# KiCad board sbc.kicad_pcb (continued)
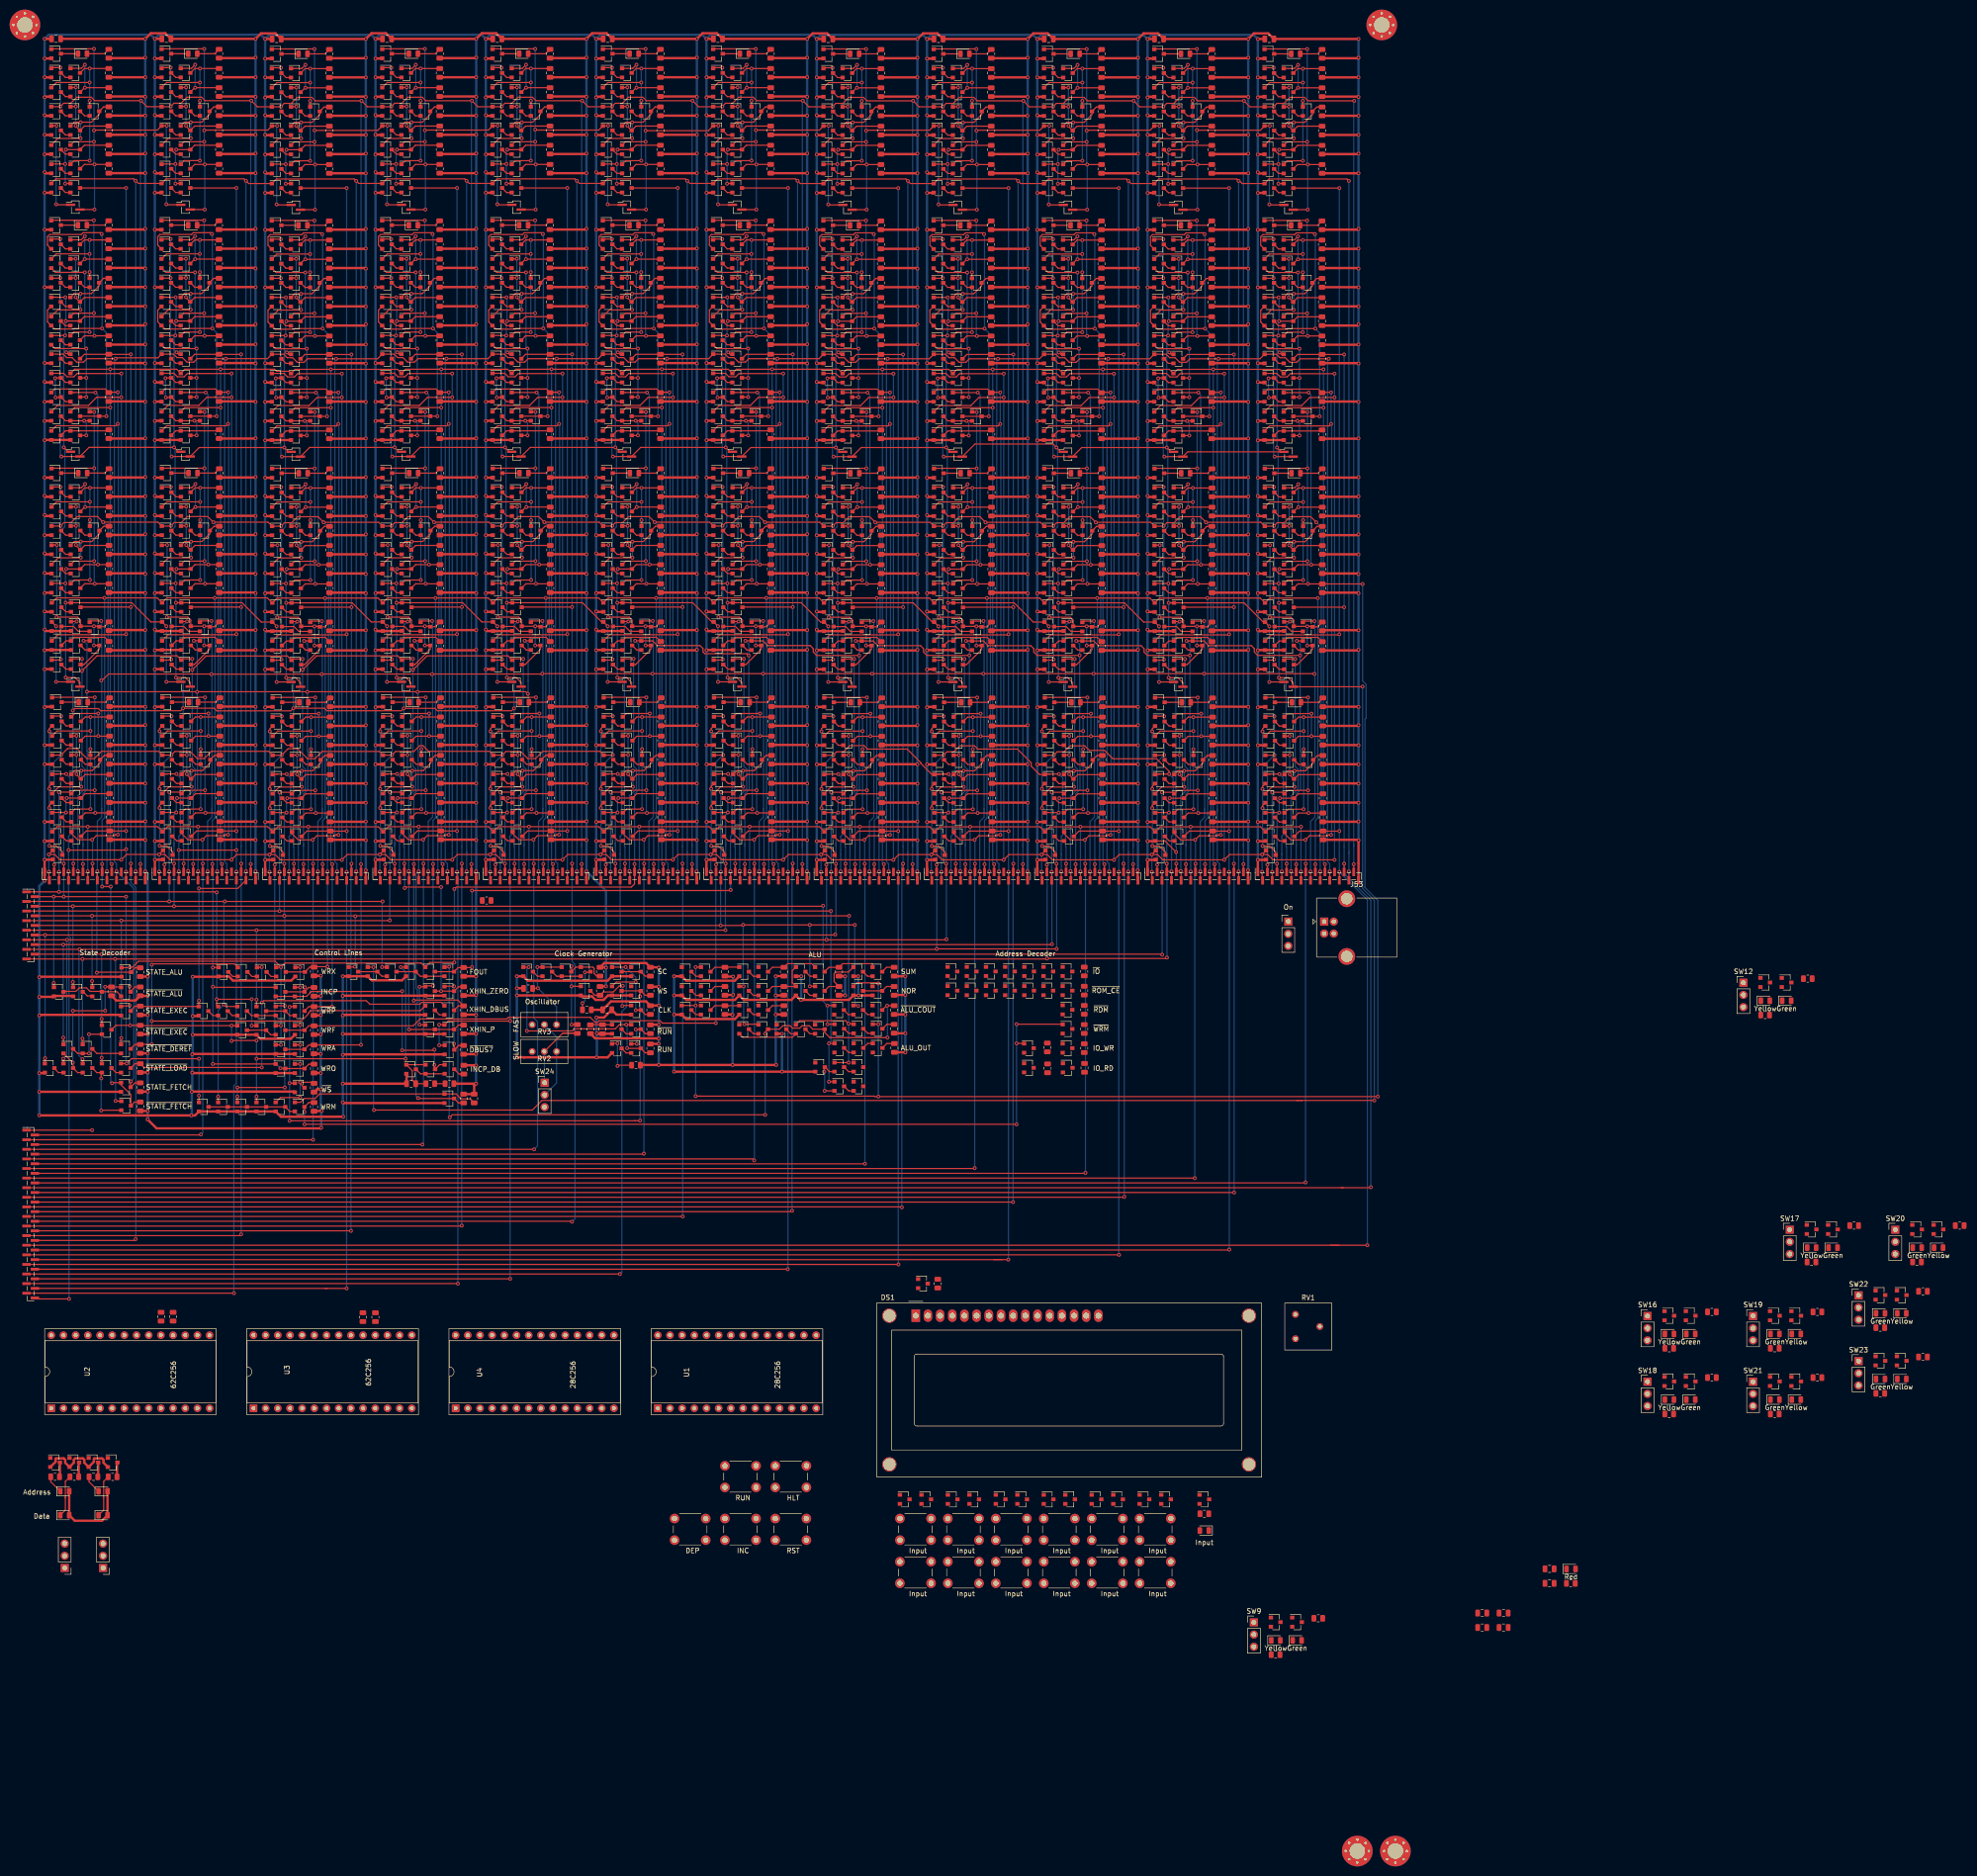
[diagram p0: board, top side]
## Placement (name value [footprint] x y rotation side) (continued)
Q196  2N7002  [SOT-23]  57.3 179.2 0 top
Q197  2N7002  [SOT-23]  88.55 167.1 0 top
Q198  2N7002  [SOT-23]  57.3 159.2 0 top
Q199  2N7002  [SOT-23]  53.3 171.2 0 top
Q200  2N7002  [SOT-23]  57.3 171.2 0 top
Q201  2N7002  [SOT-23]  53.4 183.35 0 top
Q202  2N7002  [SOT-23]  57.4 183.35 0 top
Q203  2N7002  [SOT-23]  57.3 175.2 0 top
Q204  2N7002  [SOT-23]  49.4 183.35 0 top
Q205  2N7002  [SOT-23]  45.3 171.2 0 top
Q206  2N7002  [SOT-23]  49.3 171.2 0 top
Q207  2N7002  [SOT-23]  45.4 183.35 0 top
Q208  2N7002  [SOT-23]  53.3 175.2 0 top
Q209  2N7002  [SOT-23]  49.3 175.2 0 top
Q210  2N7002  [SOT-23]  41.4 183.35 0 top
Q211  2N7002  [SOT-23]  45.3 175.2 0 top
Q212  2N7002  [SOT-23]  88.5 183.4 0 top
Q213  2N7002  [SOT-23]  84.5 183.4 0 top
Q214  2N7002  [SOT-23]  41.3 175.2 0 top
Q215  2N7002  [SOT-23]  37.25 175.2 0 top
Q216  2N7002  [SOT-23]  76.5 183.4 0 top
Q217  2N7002  [SOT-23]  80.5 183.4 0 top
Q218  2N7002  [SOT-23]  57.3 155.2 0 top
Q219  2N7002  [SOT-23]  68.5 183.4 0 top
Q220  2N7002  [SOT-23]  72.5 183.4 0 top
Q221  2N7002  [SOT-23]  37.3 155.2 0 top
Q222  2N7002  [SOT-23]  41.3 155.2 0 top
Q223  2N7002  [SOT-23]  45.3 155.2 0 top
Q224  2N7002  [SOT-23]  49.3 155.2 0 top
Q225  2N7002  [SOT-23]  53.3 155.2 0 top
Q226  2N7002  [SOT-23]  123.45 183.4 0 top
Q227  2N7002  [SOT-23]  127.45 183.4 0 top
Q228  2N7002  [SOT-23]  112.95 183.4 0 top
Q229  2N7002  [SOT-23]  116.95 183.4 0 top
Q230  2N7002  [SOT-23]  116.95 179.4 0 top
Q231  2N7002  [SOT-23]  127.45 175.4 0 top
Q232  2N7002  [SOT-23]  108.95 183.4 0 top
Q233  2N7002  [SOT-23]  123.45 179.4 0 top
Q234  2N7002  [SOT-23]  127.45 179.4 0 top
Q235  2N7002  [SOT-23]  104.95 183.4 0 top
Q236  2N7002  [SOT-23]  127.45 171.4 0 top
Q237  2N7002  [SOT-23]  127.45 167.4 0 top
Q238  2N7002  [SOT-23]  123.45 171.4 0 top
Q239  2N7002  [SOT-23]  123.45 167.4 0 top
Q240  2N7002  [SOT-23]  84.55 163.05 0 top
Q241  2N7002  [SOT-23]  88.55 163.05 0 top
Q242  2N7002  [SOT-23]  80.55 163.05 0 top
Q243  2N7002  [SOT-23]  154 175.4 0 top
Q244  2N7002  [SOT-23]  150 175.4 0 top
Q245  2N7002  [SOT-23]  142 175.4 0 top
Q246  2N7002  [SOT-23]  154 183.4 0 top
Q247  2N7002  [SOT-23]  138 175.4 0 top
Q248  2N7002  [SOT-23]  150 183.4 0 top
Q249  2N7002  [SOT-23]  217.5 163.35 0 top
Q250  2N7002  [SOT-23]  209.4 163.35 0 top
Q251  2N7002  [SOT-23]  142 183.4 0 top
Q252  2N7002  [SOT-23]  138 183.4 0 top
Q253  2N7002  [SOT-23]  165.8 183.4 0 top
Q254  2N7002  [SOT-23]  142 179.4 0 top
Q255  2N7002  [SOT-23]  161.8 183.4 0 top
Q256  2N7002  [SOT-23]  154 179.4 0 top
Q257  2N7002  [SOT-23]  177.8 183.4 0 top
Q258  2N7002  [SOT-23]  138 179.4 0 top
Q259  2N7002  [SOT-23]  150 179.4 0 top
Q260  2N7002  [SOT-23]  173.8 183.4 0 top
Q261  2N7002  [SOT-23]  177.85 167.5 0 top
Q262  2N7002  [SOT-23]  165.8 179.4 0 top
Q263  2N7002  [SOT-23]  177.8 175.4 0 top
Q264  2N7002  [SOT-23]  165.8 171.4 0 top
Q265  2N7002  [SOT-23]  154 171.4 0 top
Q266  2N7002  [SOT-23]  161.8 179.4 0 top
Q267  2N7002  [SOT-23]  173.8 175.4 0 top
Q268  2N7002  [SOT-23]  161.8 171.4 0 top
Q269  2N7002  [SOT-23]  150 171.4 0 top
Q270  2N7002  [SOT-23]  177.85 171.5 0 top
Q271  2N7002  [SOT-23]  173.85 167.5 0 top
Q272  2N7002  [SOT-23]  173.85 163.5 0 top
Q273  2N7002  [SOT-23]  173.85 159.5 0 top
Q274  2N7002  [SOT-23]  169.8 175.4 0 top
Q275  2N7002  [SOT-23]  173.85 171.5 0 top
Q276  2N7002  [SOT-23]  169.85 167.5 0 top
Q277  2N7002  [SOT-23]  169.85 163.5 0 top
Q278  2N7002  [SOT-23]  169.85 159.5 0 top
Q279  2N7002  [SOT-23]  157.8 171.4 0 top
Q280  2N7002  [SOT-23]  169.85 171.5 0 top
Q281  2N7002  [SOT-23]  165.85 163.5 0 top
Q282  2N7002  [SOT-23]  177.8 179.4 0 top
Q283  2N7002  [SOT-23]  173.8 179.4 0 top
Q284  2N7002  [SOT-23]  56.7 211.62 0 top
Q285  2N7002  [SOT-23]  52.7 211.62 0 top
Q286  2N7002  [SOT-23]  56.5 346.82 0 top
Q287  2N7002  [SOT-23]  52.5 346.82 0 top
Q288  2N7002  [SOT-23]  56.5 350.82 0 top
Q289  2N7002  [SOT-23]  56.5 366.82 0 top
Q290  2N7002  [SOT-23]  52.5 350.82 0 top
Q291  2N7002  [SOT-23]  52.5 366.82 0 top
Q292  2N7002  [SOT-23]  52.5 374.82 0 top
Q293  2N7002  [SOT-23]  56.5 354.82 0 top
Q294  2N7002  [SOT-23]  56.5 370.82 0 top
Q295  2N7002  [SOT-23]  52.5 354.82 0 top
Q296  2N7002  [SOT-23]  52.5 370.82 0 top
Q297  2N7002  [SOT-23]  60.5 362.82 0 top
Q298  2N7002  [SOT-23]  56.5 362.82 0 top
Q299  2N7002  [SOT-23]  52.5 362.82 0 top
Q300  2N7002  [SOT-23]  56.5 358.82 0 top
Q301  2N7002  [SOT-23]  52.5 358.82 0 top
Q302  2N7002  [SOT-23]  60.5 251.42 0 top
Q303  2N7002  [SOT-23]  56.6 259.37 0 top
Q304  2N7002  [SOT-23]  56.6 247.42 0 top
Q305  2N7002  [SOT-23]  60.5 255.32 0 top
Q306  2N7002  [SOT-23]  56.6 255.42 0 top
Q307  2N7002  [SOT-23]  56.6 251.42 0 top
Q308  2N7002  [SOT-23]  52.6 259.37 0 top
Q309  2N7002  [SOT-23]  52.6 247.42 0 top
Q310  2N7002  [SOT-23]  52.6 255.37 0 top
Q311  2N7002  [SOT-23]  52.6 251.42 0 top
Q312  2N7002  [SOT-23]  56.55 263.36 0 top
Q313  2N7002  [SOT-23]  56.55 279.36 0 top
Q314  2N7002  [SOT-23]  52.55 263.36 0 top
Q315  2N7002  [SOT-23]  52.55 279.36 0 top
Q316  2N7002  [SOT-23]  52.55 287.36 0 top
Q317  2N7002  [SOT-23]  56.55 267.36 0 top
Q318  2N7002  [SOT-23]  56.55 283.36 0 top
Q319  2N7002  [SOT-23]  52.55 267.36 0 top
Q320  2N7002  [SOT-23]  52.55 283.36 0 top
Q321  2N7002  [SOT-23]  60.55 275.36 0 top
Q322  2N7002  [SOT-23]  56.55 275.36 0 top
Q323  2N7002  [SOT-23]  52.55 275.36 0 top
Q324  2N7002  [SOT-23]  56.55 271.36 0 top
Q325  2N7002  [SOT-23]  52.55 271.36 0 top
Q326  2N7002  [SOT-23]  56.5 311.22 0 top
Q327  2N7002  [SOT-23]  52.5 311.22 0 top
Q328  2N7002  [SOT-23]  56.5 307.22 0 top
Q329  2N7002  [SOT-23]  56.5 303.22 0 top
Q330  2N7002  [SOT-23]  56.5 299.22 0 top
Q331  2N7002  [SOT-23]  60.5 299.22 0 top
Q332  2N7002  [SOT-23]  52.5 307.22 0 top
Q333  2N7002  [SOT-23]  52.5 303.22 0 top
Q334  2N7002  [SOT-23]  52.5 299.22 0 top
Q335  2N7002  [SOT-23]  56.5 295.22 0 top
Q336  2N7002  [SOT-23]  52.5 295.22 0 top
Q337  2N7002  [SOT-23]  56.48 315.07 0 top
Q338  2N7002  [SOT-23]  56.48 331.07 0 top
Q339  2N7002  [SOT-23]  52.48 315.07 0 top
Q340  2N7002  [SOT-23]  52.48 331.07 0 top
Q341  2N7002  [SOT-23]  52.48 339.07 0 top
Q342  2N7002  [SOT-23]  56.48 319.07 0 top
Q343  2N7002  [SOT-23]  56.48 335.07 0 top
Q344  2N7002  [SOT-23]  52.48 319.07 0 top
Q345  2N7002  [SOT-23]  52.48 335.07 0 top
Q346  2N7002  [SOT-23]  60.48 327.07 0 top
Q347  2N7002  [SOT-23]  56.48 327.07 0 top
Q348  2N7002  [SOT-23]  52.48 327.07 0 top
Q349  2N7002  [SOT-23]  56.48 323.07 0 top
Q350  2N7002  [SOT-23]  52.48 323.07 0 top
Q351  2N7002  [SOT-23]  121.85 207.75 0 top
Q352  2N7002  [SOT-23]  144.85 207.75 0 top
Q353  2N7002  [SOT-23]  56.66 215.58 0 top
Q354  2N7002  [SOT-23]  56.66 231.58 0 top
Q355  2N7002  [SOT-23]  52.66 215.58 0 top
Q356  2N7002  [SOT-23]  52.66 231.58 0 top
Q357  2N7002  [SOT-23]  52.66 239.58 0 top
Q358  2N7002  [SOT-23]  56.66 219.58 0 top
Q359  2N7002  [SOT-23]  56.66 235.58 0 top
Q360  2N7002  [SOT-23]  52.66 219.58 0 top
Q361  2N7002  [SOT-23]  52.66 235.58 0 top
Q362  2N7002  [SOT-23]  60.66 227.58 0 top
Q363  2N7002  [SOT-23]  56.66 227.58 0 top
Q364  2N7002  [SOT-23]  52.66 227.58 0 top
Q365  2N7002  [SOT-23]  56.66 223.58 0 top
Q366  2N7002  [SOT-23]  52.66 223.58 0 top
Q367  2N7002  [SOT-23]  79.72 211.65 0 top
Q368  2N7002  [SOT-23]  75.72 211.65 0 top
Q369  2N7002  [SOT-23]  79.53 346.85 0 top
Q370  2N7002  [SOT-23]  75.53 346.85 0 top
Q371  2N7002  [SOT-23]  79.53 350.85 0 top
Q372  2N7002  [SOT-23]  79.53 366.85 0 top
Q373  2N7002  [SOT-23]  75.53 350.85 0 top
Q374  2N7002  [SOT-23]  75.53 366.85 0 top
Q375  2N7002  [SOT-23]  75.53 374.85 0 top
Q376  2N7002  [SOT-23]  79.53 354.85 0 top
Q377  2N7002  [SOT-23]  79.53 370.85 0 top
Q378  2N7002  [SOT-23]  75.53 354.85 0 top
Q379  2N7002  [SOT-23]  75.53 370.85 0 top
Q380  2N7002  [SOT-23]  83.53 362.85 0 top
Q381  2N7002  [SOT-23]  79.53 362.85 0 top
Q382  2N7002  [SOT-23]  75.53 362.85 0 top
Q383  2N7002  [SOT-23]  79.53 358.85 0 top
Q384  2N7002  [SOT-23]  75.53 358.85 0 top
Q385  2N7002  [SOT-23]  83.53 251.45 0 top
Q386  2N7002  [SOT-23]  79.62 259.39 0 top
Q387  2N7002  [SOT-23]  79.63 247.45 0 top
Q388  2N7002  [SOT-23]  83.53 255.35 0 top
Q389  2N7002  [SOT-23]  79.62 255.45 0 top
Q390  2N7002  [SOT-23]  79.63 251.45 0 top
Q391  2N7002  [SOT-23]  75.62 259.39 0 top
Q392  2N7002  [SOT-23]  75.63 247.45 0 top
Q393  2N7002  [SOT-23]  75.63 255.4 0 top
Q394  2N7002  [SOT-23]  75.63 251.45 0 top
Q395  2N7002  [SOT-23]  79.58 263.38 0 top
Q396  2N7002  [SOT-23]  79.58 279.38 0 top
Q397  2N7002  [SOT-23]  75.58 263.38 0 top
Q398  2N7002  [SOT-23]  75.58 279.38 0 top
Q399  2N7002  [SOT-23]  75.58 287.38 0 top
Q400  2N7002  [SOT-23]  79.58 267.38 0 top
Q401  2N7002  [SOT-23]  79.58 283.38 0 top
Q402  2N7002  [SOT-23]  75.58 267.38 0 top
Q403  2N7002  [SOT-23]  75.58 283.38 0 top
Q404  2N7002  [SOT-23]  83.58 275.39 0 top
Q405  2N7002  [SOT-23]  79.58 275.38 0 top
Q406  2N7002  [SOT-23]  75.58 275.38 0 top
Q407  2N7002  [SOT-23]  79.58 271.38 0 top
Q408  2N7002  [SOT-23]  75.58 271.38 0 top
Q409  2N7002  [SOT-23]  79.53 311.25 0 top
Q410  2N7002  [SOT-23]  75.53 311.25 0 top
Q411  2N7002  [SOT-23]  79.53 307.25 0 top
Q412  2N7002  [SOT-23]  79.53 303.25 0 top
Q413  2N7002  [SOT-23]  79.53 299.25 0 top
Q414  2N7002  [SOT-23]  83.53 299.25 0 top
Q415  2N7002  [SOT-23]  75.53 307.25 0 top
Q416  2N7002  [SOT-23]  75.53 303.25 0 top
Q417  2N7002  [SOT-23]  75.53 299.25 0 top
Q418  2N7002  [SOT-23]  79.53 295.25 0 top
Q419  2N7002  [SOT-23]  75.53 295.25 0 top
Q420  2N7002  [SOT-23]  79.5 315.09 0 top
Q421  2N7002  [SOT-23]  79.5 331.09 0 top
Q422  2N7002  [SOT-23]  75.5 315.09 0 top
Q423  2N7002  [SOT-23]  75.5 331.09 0 top
Q424  2N7002  [SOT-23]  75.5 339.09 0 top
Q425  2N7002  [SOT-23]  79.5 319.09 0 top
Q426  2N7002  [SOT-23]  79.5 335.09 0 top
Q427  2N7002  [SOT-23]  75.5 319.09 0 top
Q428  2N7002  [SOT-23]  75.5 335.09 0 top
Q429  2N7002  [SOT-23]  83.5 327.09 0 top
Q430  2N7002  [SOT-23]  79.5 327.09 0 top
Q431  2N7002  [SOT-23]  75.5 327.09 0 top
Q432  2N7002  [SOT-23]  79.5 323.09 0 top
Q433  2N7002  [SOT-23]  75.5 323.09 0 top
Q434  2N7002  [SOT-23]  167.85 207.72 0 top
Q435  2N7002  [SOT-23]  190.85 207.72 0 top
Q436  2N7002  [SOT-23]  79.69 215.61 0 top
Q437  2N7002  [SOT-23]  79.69 231.61 0 top
Q438  2N7002  [SOT-23]  75.69 215.61 0 top
Q439  2N7002  [SOT-23]  75.69 231.61 0 top
Q440  2N7002  [SOT-23]  75.69 239.61 0 top
Q441  2N7002  [SOT-23]  79.69 219.61 0 top
Q442  2N7002  [SOT-23]  79.69 235.61 0 top
Q443  2N7002  [SOT-23]  75.69 219.61 0 top
Q444  2N7002  [SOT-23]  75.69 235.61 0 top
Q445  2N7002  [SOT-23]  83.69 227.61 0 top
Q446  2N7002  [SOT-23]  79.69 227.61 0 top
Q447  2N7002  [SOT-23]  75.69 227.61 0 top
Q448  2N7002  [SOT-23]  79.69 223.61 0 top
Q449  2N7002  [SOT-23]  75.69 223.61 0 top
Q450  2N7002  [SOT-23]  102.72 211.65 0 top
Q451  2N7002  [SOT-23]  98.72 211.65 0 top
Q452  2N7002  [SOT-23]  102.53 346.85 0 top
Q453  2N7002  [SOT-23]  98.53 346.85 0 top
Q454  2N7002  [SOT-23]  102.53 350.85 0 top
Q455  2N7002  [SOT-23]  102.53 366.85 0 top
Q456  2N7002  [SOT-23]  98.53 350.85 0 top
Q457  2N7002  [SOT-23]  98.53 366.85 0 top
Q458  2N7002  [SOT-23]  98.53 374.85 0 top
Q459  2N7002  [SOT-23]  102.53 354.85 0 top
Q460  2N7002  [SOT-23]  102.53 370.85 0 top
Q461  2N7002  [SOT-23]  98.53 354.85 0 top
Q462  2N7002  [SOT-23]  98.53 370.85 0 top
Q463  2N7002  [SOT-23]  106.53 362.85 0 top
Q464  2N7002  [SOT-23]  102.53 362.85 0 top
Q465  2N7002  [SOT-23]  98.53 362.85 0 top
Q466  2N7002  [SOT-23]  102.53 358.85 0 top
Q467  2N7002  [SOT-23]  98.53 358.85 0 top
Q468  2N7002  [SOT-23]  106.53 251.45 0 top
Q469  2N7002  [SOT-23]  102.62 259.39 0 top
Q470  2N7002  [SOT-23]  102.63 247.45 0 top
Q471  2N7002  [SOT-23]  106.53 255.35 0 top
Q472  2N7002  [SOT-23]  102.62 255.45 0 top
Q473  2N7002  [SOT-23]  102.63 251.45 0 top
Q474  2N7002  [SOT-23]  98.62 259.39 0 top
Q475  2N7002  [SOT-23]  98.63 247.45 0 top
Q476  2N7002  [SOT-23]  98.63 255.4 0 top
Q477  2N7002  [SOT-23]  98.63 251.45 0 top
Q478  2N7002  [SOT-23]  102.57 263.38 0 top
Q479  2N7002  [SOT-23]  102.57 279.38 0 top
Q480  2N7002  [SOT-23]  98.57 263.38 0 top
Q481  2N7002  [SOT-23]  98.57 279.38 0 top
Q482  2N7002  [SOT-23]  98.57 287.38 0 top
Q483  2N7002  [SOT-23]  102.57 267.38 0 top
Q484  2N7002  [SOT-23]  102.57 283.38 0 top
Q485  2N7002  [SOT-23]  98.57 267.38 0 top
Q486  2N7002  [SOT-23]  98.57 283.38 0 top
Q487  2N7002  [SOT-23]  106.57 275.39 0 top
Q488  2N7002  [SOT-23]  102.57 275.38 0 top
Q489  2N7002  [SOT-23]  98.57 275.38 0 top
Q490  2N7002  [SOT-23]  102.57 271.38 0 top
Q491  2N7002  [SOT-23]  98.57 271.38 0 top
Q492  2N7002  [SOT-23]  102.53 311.25 0 top
Q493  2N7002  [SOT-23]  98.53 311.25 0 top
Q494  2N7002  [SOT-23]  102.53 307.25 0 top
Q495  2N7002  [SOT-23]  102.53 303.25 0 top
Q496  2N7002  [SOT-23]  102.53 299.25 0 top
Q497  2N7002  [SOT-23]  106.53 299.25 0 top
Q498  2N7002  [SOT-23]  98.53 307.25 0 top
Q499  2N7002  [SOT-23]  98.53 303.25 0 top
Q500  2N7002  [SOT-23]  98.53 299.25 0 top
Q501  2N7002  [SOT-23]  102.53 295.25 0 top
Q502  2N7002  [SOT-23]  98.53 295.25 0 top
Q503  2N7002  [SOT-23]  102.5 315.09 0 top
Q504  2N7002  [SOT-23]  102.5 331.09 0 top
Q505  2N7002  [SOT-23]  98.5 315.09 0 top
Q506  2N7002  [SOT-23]  98.5 331.09 0 top
Q507  2N7002  [SOT-23]  98.5 339.09 0 top
Q508  2N7002  [SOT-23]  102.5 319.09 0 top
Q509  2N7002  [SOT-23]  102.5 335.09 0 top
Q510  2N7002  [SOT-23]  98.5 319.09 0 top
Q511  2N7002  [SOT-23]  98.5 335.09 0 top
Q512  2N7002  [SOT-23]  106.5 327.09 0 top
Q513  2N7002  [SOT-23]  102.5 327.09 0 top
Q514  2N7002  [SOT-23]  98.5 327.09 0 top
Q515  2N7002  [SOT-23]  102.5 323.09 0 top
Q516  2N7002  [SOT-23]  98.5 323.09 0 top
Q517  2N7002  [SOT-23]  213.85 207.72 0 top
Q518  2N7002  [SOT-23]  236.85 207.72 0 top
Q519  2N7002  [SOT-23]  102.69 215.61 0 top
Q520  2N7002  [SOT-23]  102.69 231.61 0 top
Q521  2N7002  [SOT-23]  98.69 215.61 0 top
Q522  2N7002  [SOT-23]  98.69 231.61 0 top
Q523  2N7002  [SOT-23]  98.69 239.61 0 top
Q524  2N7002  [SOT-23]  102.69 219.61 0 top
Q525  2N7002  [SOT-23]  102.69 235.61 0 top
Q526  2N7002  [SOT-23]  98.69 219.61 0 top
Q527  2N7002  [SOT-23]  98.69 235.61 0 top
Q528  2N7002  [SOT-23]  106.69 227.61 0 top
Q529  2N7002  [SOT-23]  102.69 227.61 0 top
Q530  2N7002  [SOT-23]  98.69 227.61 0 top
Q531  2N7002  [SOT-23]  102.69 223.61 0 top
Q532  2N7002  [SOT-23]  98.69 223.61 0 top
Q533  2N7002  [SOT-23]  125.75 211.65 0 top
Q534  2N7002  [SOT-23]  121.75 211.65 0 top
Q535  2N7002  [SOT-23]  125.55 346.85 0 top
Q536  2N7002  [SOT-23]  121.55 346.85 0 top
Q537  2N7002  [SOT-23]  125.55 350.85 0 top
Q538  2N7002  [SOT-23]  125.55 366.85 0 top
Q539  2N7002  [SOT-23]  121.55 350.85 0 top
Q540  2N7002  [SOT-23]  121.55 366.85 0 top
Q541  2N7002  [SOT-23]  121.55 374.85 0 top
Q542  2N7002  [SOT-23]  125.55 354.85 0 top
Q543  2N7002  [SOT-23]  125.55 370.85 0 top
Q544  2N7002  [SOT-23]  121.55 354.85 0 top
Q545  2N7002  [SOT-23]  121.55 370.85 0 top
Q546  2N7002  [SOT-23]  129.55 362.85 0 top
Q547  2N7002  [SOT-23]  125.55 362.85 0 top
Q548  2N7002  [SOT-23]  121.55 362.85 0 top
Q549  2N7002  [SOT-23]  125.55 358.85 0 top
Q550  2N7002  [SOT-23]  121.55 358.85 0 top
Q551  2N7002  [SOT-23]  129.55 251.45 0 top
Q552  2N7002  [SOT-23]  125.65 259.39 0 top
Q553  2N7002  [SOT-23]  125.65 247.45 0 top
Q554  2N7002  [SOT-23]  129.55 255.35 0 top
Q555  2N7002  [SOT-23]  125.65 255.45 0 top
Q556  2N7002  [SOT-23]  125.65 251.45 0 top
Q557  2N7002  [SOT-23]  121.65 259.39 0 top
Q558  2N7002  [SOT-23]  121.65 247.45 0 top
Q559  2N7002  [SOT-23]  121.65 255.4 0 top
Q560  2N7002  [SOT-23]  121.65 251.45 0 top
Q561  2N7002  [SOT-23]  125.6 263.38 0 top
Q562  2N7002  [SOT-23]  125.6 279.38 0 top
Q563  2N7002  [SOT-23]  121.6 263.38 0 top
Q564  2N7002  [SOT-23]  121.6 279.38 0 top
Q565  2N7002  [SOT-23]  121.6 287.38 0 top
Q566  2N7002  [SOT-23]  125.6 267.38 0 top
Q567  2N7002  [SOT-23]  125.6 283.38 0 top
Q568  2N7002  [SOT-23]  121.6 267.38 0 top
Q569  2N7002  [SOT-23]  121.6 283.38 0 top
Q570  2N7002  [SOT-23]  129.6 275.39 0 top
Q571  2N7002  [SOT-23]  125.6 275.38 0 top
Q572  2N7002  [SOT-23]  121.6 275.38 0 top
Q573  2N7002  [SOT-23]  125.6 271.38 0 top
Q574  2N7002  [SOT-23]  121.6 271.38 0 top
Q575  2N7002  [SOT-23]  125.55 311.25 0 top
Q576  2N7002  [SOT-23]  121.55 311.25 0 top
Q577  2N7002  [SOT-23]  125.55 307.25 0 top
Q578  2N7002  [SOT-23]  125.55 303.25 0 top
Q579  2N7002  [SOT-23]  125.55 299.25 0 top
Q580  2N7002  [SOT-23]  129.55 299.25 0 top
Q581  2N7002  [SOT-23]  121.55 307.25 0 top
Q582  2N7002  [SOT-23]  121.55 303.25 0 top
Q583  2N7002  [SOT-23]  121.55 299.25 0 top
Q584  2N7002  [SOT-23]  125.55 295.25 0 top
Q585  2N7002  [SOT-23]  121.55 295.25 0 top
Q586  2N7002  [SOT-23]  125.53 315.09 0 top
Q587  2N7002  [SOT-23]  125.53 331.09 0 top
Q588  2N7002  [SOT-23]  121.53 315.09 0 top
Q589  2N7002  [SOT-23]  121.53 331.09 0 top
Q590  2N7002  [SOT-23]  121.53 339.09 0 top
Q591  2N7002  [SOT-23]  125.53 319.09 0 top
Q592  2N7002  [SOT-23]  125.53 335.09 0 top
Q593  2N7002  [SOT-23]  121.53 319.09 0 top
Q594  2N7002  [SOT-23]  121.53 335.09 0 top
Q595  2N7002  [SOT-23]  129.53 327.09 0 top
Q596  2N7002  [SOT-23]  125.53 327.09 0 top
Q597  2N7002  [SOT-23]  121.53 327.09 0 top
Q598  2N7002  [SOT-23]  125.53 323.09 0 top
Q599  2N7002  [SOT-23]  121.53 323.09 0 top
Q600  2N7002  [SOT-23]  259.85 207.72 0 top
Q601  2N7002  [SOT-23]  217.45 183.45 0 top
Q602  2N7002  [SOT-23]  125.71 215.61 0 top
Q603  2N7002  [SOT-23]  125.71 231.61 0 top
Q604  2N7002  [SOT-23]  121.71 215.61 0 top
Q605  2N7002  [SOT-23]  121.71 231.61 0 top
Q606  2N7002  [SOT-23]  121.71 239.61 0 top
Q607  2N7002  [SOT-23]  125.71 219.61 0 top
Q608  2N7002  [SOT-23]  125.71 235.61 0 top
Q609  2N7002  [SOT-23]  121.71 219.61 0 top
Q610  2N7002  [SOT-23]  121.71 235.61 0 top
Q611  2N7002  [SOT-23]  129.71 227.61 0 top
Q612  2N7002  [SOT-23]  125.71 227.61 0 top
Q613  2N7002  [SOT-23]  121.71 227.61 0 top
Q614  2N7002  [SOT-23]  125.71 223.61 0 top
Q615  2N7002  [SOT-23]  121.71 223.61 0 top
Q616  2N7002  [SOT-23]  148.75 211.65 0 top
Q617  2N7002  [SOT-23]  144.75 211.65 0 top
Q618  2N7002  [SOT-23]  148.55 346.85 0 top
Q619  2N7002  [SOT-23]  144.55 346.85 0 top
Q620  2N7002  [SOT-23]  148.55 350.85 0 top
Q621  2N7002  [SOT-23]  148.55 366.85 0 top
Q622  2N7002  [SOT-23]  144.55 350.85 0 top
Q623  2N7002  [SOT-23]  144.55 366.85 0 top
Q624  2N7002  [SOT-23]  144.55 374.85 0 top
Q625  2N7002  [SOT-23]  148.55 354.85 0 top
Q626  2N7002  [SOT-23]  148.55 370.85 0 top
Q627  2N7002  [SOT-23]  144.55 354.85 0 top
Q628  2N7002  [SOT-23]  144.55 370.85 0 top
Q629  2N7002  [SOT-23]  152.55 362.85 0 top
Q630  2N7002  [SOT-23]  148.55 362.85 0 top
Q631  2N7002  [SOT-23]  144.55 362.85 0 top
Q632  2N7002  [SOT-23]  148.55 358.85 0 top
Q633  2N7002  [SOT-23]  144.55 358.85 0 top
Q634  2N7002  [SOT-23]  152.55 251.45 0 top
Q635  2N7002  [SOT-23]  148.65 259.39 0 top
Q636  2N7002  [SOT-23]  148.65 247.45 0 top
Q637  2N7002  [SOT-23]  152.55 255.35 0 top
Q638  2N7002  [SOT-23]  148.65 255.45 0 top
Q639  2N7002  [SOT-23]  148.65 251.45 0 top
Q640  2N7002  [SOT-23]  144.65 259.39 0 top
Q641  2N7002  [SOT-23]  144.65 247.45 0 top
Q642  2N7002  [SOT-23]  144.65 255.4 0 top
Q643  2N7002  [SOT-23]  144.65 251.45 0 top
Q644  2N7002  [SOT-23]  148.6 263.38 0 top
Q645  2N7002  [SOT-23]  148.6 279.38 0 top
Q646  2N7002  [SOT-23]  144.6 263.38 0 top
Q647  2N7002  [SOT-23]  144.6 279.38 0 top
Q648  2N7002  [SOT-23]  144.6 287.38 0 top
Q649  2N7002  [SOT-23]  148.6 267.38 0 top
Q650  2N7002  [SOT-23]  148.6 283.38 0 top
Q651  2N7002  [SOT-23]  144.6 267.38 0 top
Q652  2N7002  [SOT-23]  144.6 283.38 0 top
Q653  2N7002  [SOT-23]  152.6 275.39 0 top
Q654  2N7002  [SOT-23]  148.6 275.38 0 top
Q655  2N7002  [SOT-23]  144.6 275.38 0 top
Q656  2N7002  [SOT-23]  148.6 271.38 0 top
Q657  2N7002  [SOT-23]  144.6 271.38 0 top
Q658  2N7002  [SOT-23]  148.55 311.25 0 top
Q659  2N7002  [SOT-23]  144.55 311.25 0 top
Q660  2N7002  [SOT-23]  148.55 307.25 0 top
Q661  2N7002  [SOT-23]  148.55 303.25 0 top
Q662  2N7002  [SOT-23]  148.55 299.25 0 top
Q663  2N7002  [SOT-23]  152.55 299.25 0 top
Q664  2N7002  [SOT-23]  144.55 307.25 0 top
Q665  2N7002  [SOT-23]  144.55 303.25 0 top
Q666  2N7002  [SOT-23]  144.55 299.25 0 top
Q667  2N7002  [SOT-23]  148.55 295.25 0 top
Q668  2N7002  [SOT-23]  144.55 295.25 0 top
Q669  2N7002  [SOT-23]  148.53 315.09 0 top
Q670  2N7002  [SOT-23]  148.53 331.09 0 top
Q671  2N7002  [SOT-23]  144.53 315.09 0 top
Q672  2N7002  [SOT-23]  144.53 331.09 0 top
Q673  2N7002  [SOT-23]  144.53 339.09 0 top
Q674  2N7002  [SOT-23]  148.53 319.09 0 top
Q675  2N7002  [SOT-23]  148.53 335.09 0 top
Q676  2N7002  [SOT-23]  144.53 319.09 0 top
Q677  2N7002  [SOT-23]  144.53 335.09 0 top
Q678  2N7002  [SOT-23]  152.53 327.09 0 top
Q679  2N7002  [SOT-23]  148.53 327.09 0 top
Q680  2N7002  [SOT-23]  144.53 327.09 0 top
Q681  2N7002  [SOT-23]  148.53 323.09 0 top
Q682  2N7002  [SOT-23]  144.53 323.09 0 top
Q683  2N7002  [SOT-23]  213.45 183.45 0 top
Q684  2N7002  [SOT-23]  209.45 183.45 0 top
Q685  2N7002  [SOT-23]  148.71 215.61 0 top
Q686  2N7002  [SOT-23]  148.71 231.61 0 top
Q687  2N7002  [SOT-23]  144.71 215.61 0 top
Q688  2N7002  [SOT-23]  144.71 231.61 0 top
Q689  2N7002  [SOT-23]  144.71 239.61 0 top
Q690  2N7002  [SOT-23]  148.71 219.61 0 top
Q691  2N7002  [SOT-23]  148.71 235.61 0 top
Q692  2N7002  [SOT-23]  144.71 219.61 0 top
Q693  2N7002  [SOT-23]  144.71 235.61 0 top
Q694  2N7002  [SOT-23]  152.71 227.61 0 top
Q695  2N7002  [SOT-23]  148.71 227.61 0 top
Q696  2N7002  [SOT-23]  144.71 227.61 0 top
Q697  2N7002  [SOT-23]  148.71 223.61 0 top
Q698  2N7002  [SOT-23]  144.71 223.61 0 top
Q699  2N7002  [SOT-23]  171.75 211.62 0 top
Q700  2N7002  [SOT-23]  167.75 211.62 0 top
Q701  2N7002  [SOT-23]  171.55 346.82 0 top
Q702  2N7002  [SOT-23]  167.55 346.82 0 top
Q703  2N7002  [SOT-23]  171.55 350.82 0 top
Q704  2N7002  [SOT-23]  171.55 366.82 0 top
Q705  2N7002  [SOT-23]  167.55 350.82 0 top
Q706  2N7002  [SOT-23]  167.55 366.82 0 top
Q707  2N7002  [SOT-23]  167.55 374.82 0 top
Q708  2N7002  [SOT-23]  171.55 354.82 0 top
Q709  2N7002  [SOT-23]  171.55 370.82 0 top
Q710  2N7002  [SOT-23]  167.55 354.82 0 top
Q711  2N7002  [SOT-23]  167.55 370.82 0 top
Q712  2N7002  [SOT-23]  175.55 362.82 0 top
Q713  2N7002  [SOT-23]  171.55 362.82 0 top
Q714  2N7002  [SOT-23]  167.55 362.82 0 top
Q715  2N7002  [SOT-23]  171.55 358.82 0 top
Q716  2N7002  [SOT-23]  167.55 358.82 0 top
Q717  2N7002  [SOT-23]  175.55 251.42 0 top
Q718  2N7002  [SOT-23]  171.65 259.37 0 top
Q719  2N7002  [SOT-23]  171.65 247.42 0 top
Q720  2N7002  [SOT-23]  175.55 255.32 0 top
Q721  2N7002  [SOT-23]  171.65 255.42 0 top
Q722  2N7002  [SOT-23]  171.65 251.42 0 top
Q723  2N7002  [SOT-23]  167.65 259.37 0 top
Q724  2N7002  [SOT-23]  167.65 247.42 0 top
Q725  2N7002  [SOT-23]  167.65 255.37 0 top
Q726  2N7002  [SOT-23]  167.65 251.42 0 top
Q727  2N7002  [SOT-23]  171.6 263.36 0 top
Q728  2N7002  [SOT-23]  171.6 279.36 0 top
Q729  2N7002  [SOT-23]  167.6 263.36 0 top
Q730  2N7002  [SOT-23]  167.6 279.36 0 top
Q731  2N7002  [SOT-23]  167.6 287.36 0 top
Q732  2N7002  [SOT-23]  171.6 267.36 0 top
Q733  2N7002  [SOT-23]  171.6 283.36 0 top
Q734  2N7002  [SOT-23]  167.6 267.36 0 top
Q735  2N7002  [SOT-23]  167.6 283.36 0 top
Q736  2N7002  [SOT-23]  175.6 275.36 0 top
Q737  2N7002  [SOT-23]  171.6 275.36 0 top
Q738  2N7002  [SOT-23]  167.6 275.36 0 top
Q739  2N7002  [SOT-23]  171.6 271.36 0 top
Q740  2N7002  [SOT-23]  167.6 271.36 0 top
Q741  2N7002  [SOT-23]  171.55 311.22 0 top
Q742  2N7002  [SOT-23]  167.55 311.22 0 top
Q743  2N7002  [SOT-23]  171.55 307.22 0 top
Q744  2N7002  [SOT-23]  171.55 303.22 0 top
Q745  2N7002  [SOT-23]  171.55 299.22 0 top
Q746  2N7002  [SOT-23]  175.55 299.22 0 top
Q747  2N7002  [SOT-23]  167.55 307.22 0 top
Q748  2N7002  [SOT-23]  167.55 303.22 0 top
Q749  2N7002  [SOT-23]  167.55 299.22 0 top
Q750  2N7002  [SOT-23]  171.55 295.22 0 top
Q751  2N7002  [SOT-23]  167.55 295.22 0 top
Q752  2N7002  [SOT-23]  171.53 315.07 0 top
Q753  2N7002  [SOT-23]  171.53 331.07 0 top
Q754  2N7002  [SOT-23]  167.53 315.07 0 top
Q755  2N7002  [SOT-23]  167.53 331.07 0 top
Q756  2N7002  [SOT-23]  167.53 339.07 0 top
Q757  2N7002  [SOT-23]  171.53 319.07 0 top
Q758  2N7002  [SOT-23]  171.53 335.07 0 top
Q759  2N7002  [SOT-23]  167.53 319.07 0 top
Q760  2N7002  [SOT-23]  167.53 335.07 0 top
Q761  2N7002  [SOT-23]  175.53 327.07 0 top
Q762  2N7002  [SOT-23]  171.53 327.07 0 top
Q763  2N7002  [SOT-23]  167.53 327.07 0 top
Q764  2N7002  [SOT-23]  171.53 323.07 0 top
Q765  2N7002  [SOT-23]  167.53 323.07 0 top
Q766  2N7002  [SOT-23]  205.45 183.45 0 top
Q767  2N7002  [SOT-23]  201.45 183.45 0 top
Q768  2N7002  [SOT-23]  171.71 215.58 0 top
Q769  2N7002  [SOT-23]  171.71 231.58 0 top
Q770  2N7002  [SOT-23]  167.71 215.58 0 top
Q771  2N7002  [SOT-23]  167.71 231.58 0 top
Q772  2N7002  [SOT-23]  167.71 239.58 0 top
Q773  2N7002  [SOT-23]  171.71 219.58 0 top
Q774  2N7002  [SOT-23]  171.71 235.58 0 top
Q775  2N7002  [SOT-23]  167.71 219.58 0 top
Q776  2N7002  [SOT-23]  167.71 235.58 0 top
Q777  2N7002  [SOT-23]  175.71 227.58 0 top
Q778  2N7002  [SOT-23]  171.71 227.58 0 top
Q779  2N7002  [SOT-23]  167.71 227.58 0 top
Q780  2N7002  [SOT-23]  171.71 223.58 0 top
Q781  2N7002  [SOT-23]  167.71 223.58 0 top
Q782  2N7002  [SOT-23]  194.75 211.62 0 top
Q783  2N7002  [SOT-23]  190.75 211.62 0 top
Q784  2N7002  [SOT-23]  194.55 346.82 0 top
Q785  2N7002  [SOT-23]  190.55 346.82 0 top
Q786  2N7002  [SOT-23]  194.55 350.82 0 top
Q787  2N7002  [SOT-23]  194.55 366.82 0 top
Q788  2N7002  [SOT-23]  190.55 350.82 0 top
Q789  2N7002  [SOT-23]  190.55 366.82 0 top
Q790  2N7002  [SOT-23]  190.55 374.82 0 top
Q791  2N7002  [SOT-23]  194.55 354.82 0 top
Q792  2N7002  [SOT-23]  194.55 370.82 0 top
Q793  2N7002  [SOT-23]  190.55 354.82 0 top
Q794  2N7002  [SOT-23]  190.55 370.82 0 top
Q795  2N7002  [SOT-23]  198.55 362.82 0 top
Q796  2N7002  [SOT-23]  194.55 362.82 0 top
Q797  2N7002  [SOT-23]  190.55 362.82 0 top
Q798  2N7002  [SOT-23]  194.55 358.82 0 top
Q799  2N7002  [SOT-23]  190.55 358.82 0 top
Q800  2N7002  [SOT-23]  198.55 251.42 0 top
Q801  2N7002  [SOT-23]  194.65 259.37 0 top
Q802  2N7002  [SOT-23]  194.65 247.42 0 top
Q803  2N7002  [SOT-23]  198.55 255.32 0 top
Q804  2N7002  [SOT-23]  194.65 255.42 0 top
Q805  2N7002  [SOT-23]  194.65 251.42 0 top
Q806  2N7002  [SOT-23]  190.65 259.37 0 top
Q807  2N7002  [SOT-23]  190.65 247.42 0 top
Q808  2N7002  [SOT-23]  190.65 255.37 0 top
Q809  2N7002  [SOT-23]  190.65 251.42 0 top
Q810  2N7002  [SOT-23]  194.6 263.36 0 top
Q811  2N7002  [SOT-23]  194.6 279.36 0 top
Q812  2N7002  [SOT-23]  190.6 263.36 0 top
Q813  2N7002  [SOT-23]  190.6 279.36 0 top
Q814  2N7002  [SOT-23]  190.6 287.36 0 top
Q815  2N7002  [SOT-23]  194.6 267.36 0 top
Q816  2N7002  [SOT-23]  194.6 283.36 0 top
Q817  2N7002  [SOT-23]  190.6 267.36 0 top
Q818  2N7002  [SOT-23]  190.6 283.36 0 top
Q819  2N7002  [SOT-23]  198.6 275.36 0 top
Q820  2N7002  [SOT-23]  194.6 275.36 0 top
Q821  2N7002  [SOT-23]  190.6 275.36 0 top
Q822  2N7002  [SOT-23]  194.6 271.36 0 top
Q823  2N7002  [SOT-23]  190.6 271.36 0 top
Q824  2N7002  [SOT-23]  194.55 311.22 0 top
Q825  2N7002  [SOT-23]  190.55 311.22 0 top
Q826  2N7002  [SOT-23]  194.55 307.22 0 top
Q827  2N7002  [SOT-23]  194.55 303.22 0 top
Q828  2N7002  [SOT-23]  194.55 299.22 0 top
Q829  2N7002  [SOT-23]  198.55 299.22 0 top
Q830  2N7002  [SOT-23]  190.55 307.22 0 top
Q831  2N7002  [SOT-23]  190.55 303.22 0 top
Q832  2N7002  [SOT-23]  190.55 299.22 0 top
Q833  2N7002  [SOT-23]  194.55 295.22 0 top
Q834  2N7002  [SOT-23]  190.55 295.22 0 top
Q835  2N7002  [SOT-23]  194.53 315.07 0 top
Q836  2N7002  [SOT-23]  194.53 331.07 0 top
Q837  2N7002  [SOT-23]  190.53 315.07 0 top
Q838  2N7002  [SOT-23]  190.53 331.07 0 top
Q839  2N7002  [SOT-23]  190.53 339.07 0 top
Q840  2N7002  [SOT-23]  194.53 319.07 0 top
Q841  2N7002  [SOT-23]  194.53 335.07 0 top
Q842  2N7002  [SOT-23]  190.53 319.07 0 top
Q843  2N7002  [SOT-23]  190.53 335.07 0 top
Q844  2N7002  [SOT-23]  198.53 327.07 0 top
Q845  2N7002  [SOT-23]  194.53 327.07 0 top
Q846  2N7002  [SOT-23]  190.53 327.07 0 top
Q847  2N7002  [SOT-23]  194.53 323.07 0 top
Q848  2N7002  [SOT-23]  190.53 323.07 0 top
Q849  2N7002  [SOT-23]  197.45 183.45 0 top
Q850  2N7002  [SOT-23]  193.45 183.45 0 top
Q851  2N7002  [SOT-23]  194.71 215.58 0 top
Q852  2N7002  [SOT-23]  194.71 231.58 0 top
Q853  2N7002  [SOT-23]  190.71 215.58 0 top
Q854  2N7002  [SOT-23]  190.71 231.58 0 top
Q855  2N7002  [SOT-23]  190.71 239.58 0 top
Q856  2N7002  [SOT-23]  194.71 219.58 0 top
Q857  2N7002  [SOT-23]  194.71 235.58 0 top
Q858  2N7002  [SOT-23]  190.71 219.58 0 top
Q859  2N7002  [SOT-23]  190.71 235.58 0 top
Q860  2N7002  [SOT-23]  198.71 227.58 0 top
Q861  2N7002  [SOT-23]  194.71 227.58 0 top
Q862  2N7002  [SOT-23]  190.71 227.58 0 top
Q863  2N7002  [SOT-23]  194.71 223.58 0 top
Q864  2N7002  [SOT-23]  190.71 223.58 0 top
Q865  2N7002  [SOT-23]  217.75 211.62 0 top
Q866  2N7002  [SOT-23]  213.75 211.62 0 top
Q867  2N7002  [SOT-23]  217.55 346.82 0 top
Q868  2N7002  [SOT-23]  213.55 346.82 0 top
Q869  2N7002  [SOT-23]  217.55 350.82 0 top
Q870  2N7002  [SOT-23]  217.55 366.82 0 top
Q871  2N7002  [SOT-23]  213.55 350.82 0 top
Q872  2N7002  [SOT-23]  213.55 366.82 0 top
Q873  2N7002  [SOT-23]  213.55 374.82 0 top
Q874  2N7002  [SOT-23]  217.55 354.82 0 top
Q875  2N7002  [SOT-23]  217.55 370.82 0 top
Q876  2N7002  [SOT-23]  213.55 354.82 0 top
Q877  2N7002  [SOT-23]  213.55 370.82 0 top
Q878  2N7002  [SOT-23]  221.55 362.82 0 top
Q879  2N7002  [SOT-23]  217.55 362.82 0 top
Q880  2N7002  [SOT-23]  213.55 362.82 0 top
Q881  2N7002  [SOT-23]  217.55 358.82 0 top
Q882  2N7002  [SOT-23]  213.55 358.82 0 top
Q883  2N7002  [SOT-23]  221.55 251.42 0 top
Q884  2N7002  [SOT-23]  217.65 259.37 0 top
Q885  2N7002  [SOT-23]  217.65 247.42 0 top
Q886  2N7002  [SOT-23]  221.55 255.32 0 top
Q887  2N7002  [SOT-23]  217.65 255.42 0 top
Q888  2N7002  [SOT-23]  217.65 251.42 0 top
Q889  2N7002  [SOT-23]  213.65 259.37 0 top
Q890  2N7002  [SOT-23]  213.65 247.42 0 top
Q891  2N7002  [SOT-23]  213.65 255.37 0 top
Q892  2N7002  [SOT-23]  213.65 251.42 0 top
Q893  2N7002  [SOT-23]  217.6 263.36 0 top
Q894  2N7002  [SOT-23]  217.6 279.36 0 top
Q895  2N7002  [SOT-23]  213.6 263.36 0 top
Q896  2N7002  [SOT-23]  213.6 279.36 0 top
Q897  2N7002  [SOT-23]  213.6 287.36 0 top
Q898  2N7002  [SOT-23]  217.6 267.36 0 top
Q899  2N7002  [SOT-23]  217.6 283.36 0 top
Q900  2N7002  [SOT-23]  213.6 267.36 0 top
Q901  2N7002  [SOT-23]  213.6 283.36 0 top
Q902  2N7002  [SOT-23]  221.6 275.36 0 top
Q903  2N7002  [SOT-23]  217.6 275.36 0 top
Q904  2N7002  [SOT-23]  213.6 275.36 0 top
Q905  2N7002  [SOT-23]  217.6 271.36 0 top
Q906  2N7002  [SOT-23]  213.6 271.36 0 top
Q907  2N7002  [SOT-23]  217.55 311.22 0 top
Q908  2N7002  [SOT-23]  213.55 311.22 0 top
Q909  2N7002  [SOT-23]  217.55 307.22 0 top
Q910  2N7002  [SOT-23]  217.55 303.22 0 top
Q911  2N7002  [SOT-23]  217.55 299.22 0 top
Q912  2N7002  [SOT-23]  221.55 299.22 0 top
Q913  2N7002  [SOT-23]  213.55 307.22 0 top
Q914  2N7002  [SOT-23]  213.55 303.22 0 top
Q915  2N7002  [SOT-23]  213.55 299.22 0 top
Q916  2N7002  [SOT-23]  217.55 295.22 0 top
Q917  2N7002  [SOT-23]  213.55 295.22 0 top
Q918  2N7002  [SOT-23]  217.53 315.07 0 top
Q919  2N7002  [SOT-23]  217.53 331.07 0 top
Q920  2N7002  [SOT-23]  213.53 315.07 0 top
Q921  2N7002  [SOT-23]  213.53 331.07 0 top
Q922  2N7002  [SOT-23]  213.53 339.07 0 top
Q923  2N7002  [SOT-23]  217.53 319.07 0 top
Q924  2N7002  [SOT-23]  217.53 335.07 0 top
Q925  2N7002  [SOT-23]  213.53 319.07 0 top
Q926  2N7002  [SOT-23]  213.53 335.07 0 top
Q927  2N7002  [SOT-23]  221.53 327.07 0 top
Q928  2N7002  [SOT-23]  217.53 327.07 0 top
Q929  2N7002  [SOT-23]  213.53 327.07 0 top
Q930  2N7002  [SOT-23]  217.53 323.07 0 top
Q931  2N7002  [SOT-23]  213.53 323.07 0 top
Q932  2N7002  [SOT-23]  209.45 179.45 0 top
Q933  2N7002  [SOT-23]  205.45 179.45 0 top
Q934  2N7002  [SOT-23]  217.71 215.58 0 top
